# Altium PCB TE0888.PcbDoc (part 2 of 2)
Units mm, origin at the board's own origin, x right, y up, seen from the top; angles counter-clockwise.
Board outline 53.34 x 68.58 mm, 4 copper layers (L 01, L 02, L 03, L 04), stack 0.695 mm thick; 105 components, 121 nets, 546 pads, 178 vias.
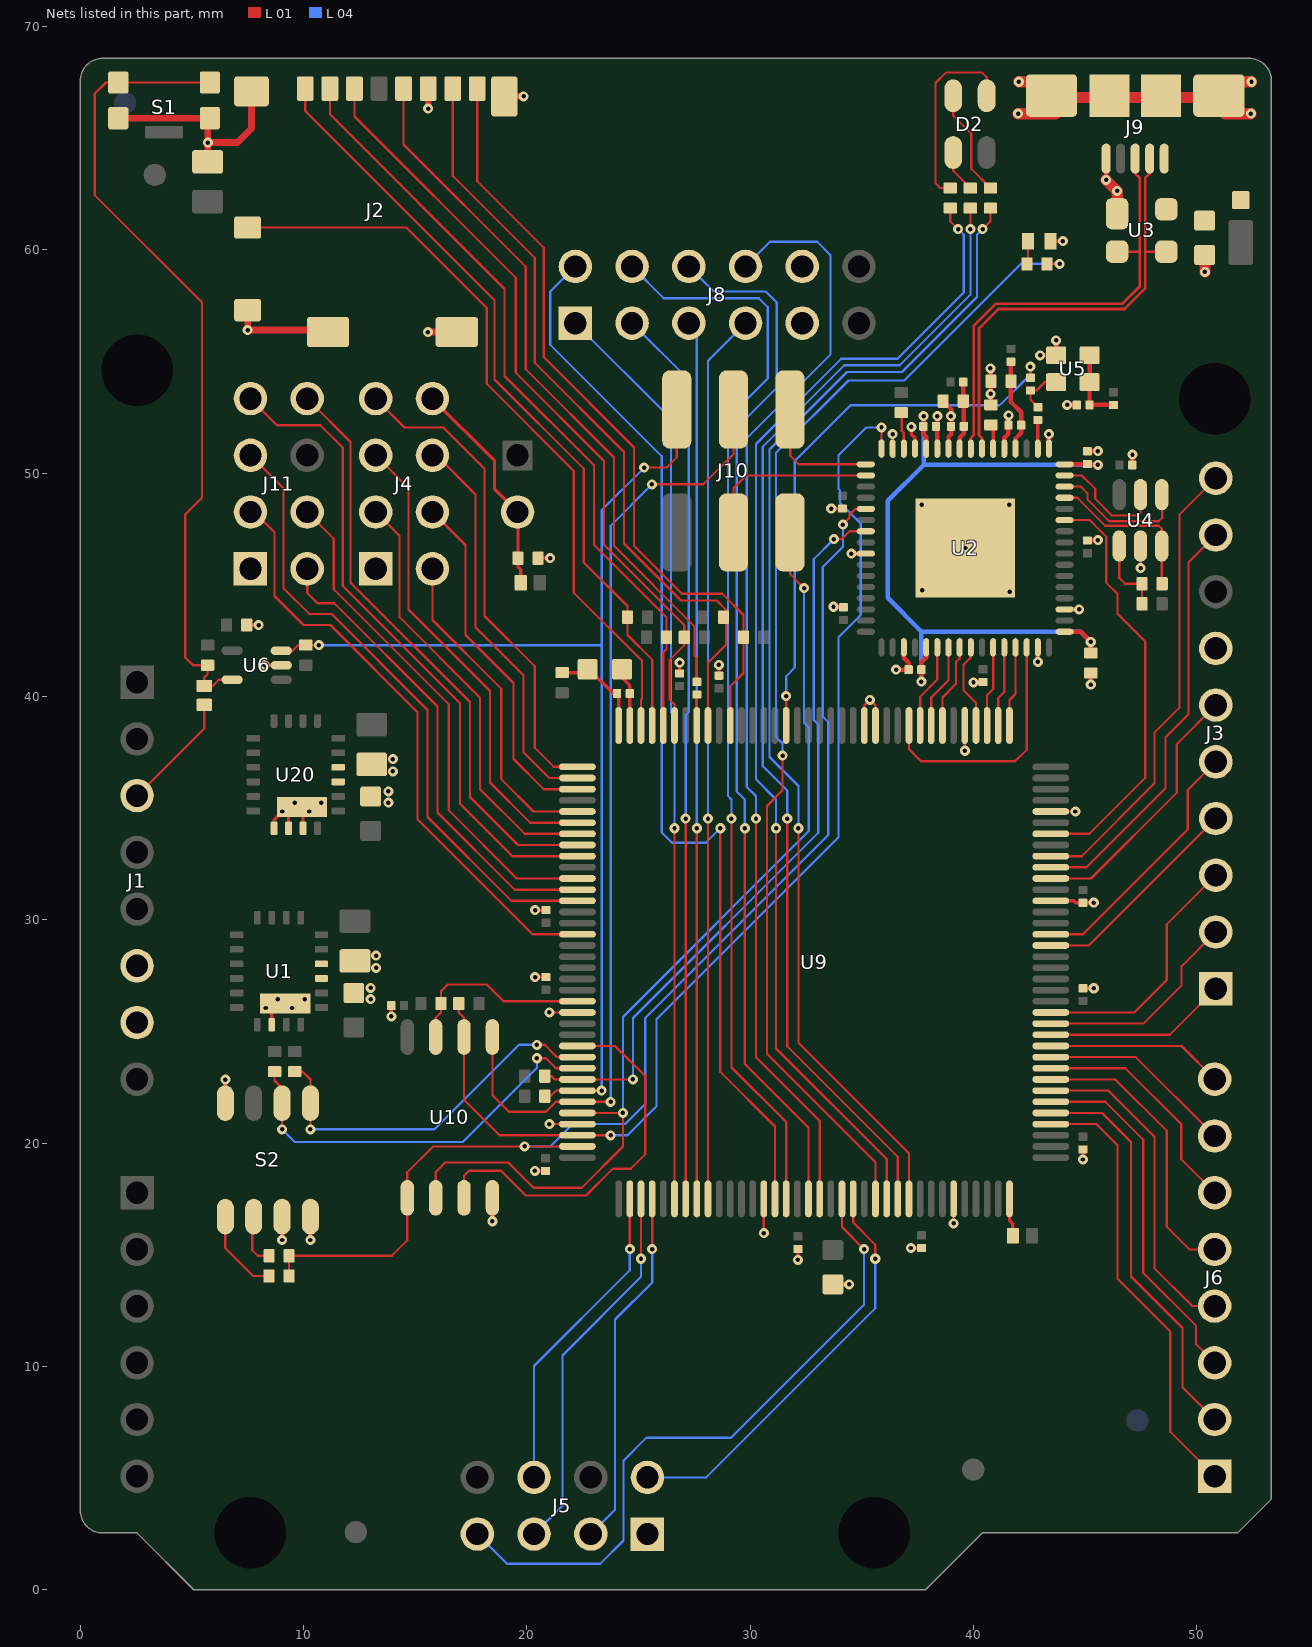
[diagram p4: the nets of this part, all layers, seen from the top]

## Via types
v1: diameter 0.45, hole 0.2, L 01 to L 04, 178 vias

## Nets (pads, with @x,y where several pads share a name; then routed paths per layer and width w, separated by ;. In a path a pad name is that pad's centre, name@x,y a point inside that pad or via, vN(x,y) a via of type N, cw(c..) or ccw(c..) an arc to the next point about the centre after c; other vN are vias at no path point) (continued)
BCBUS7: U2.59 U9.138 | length 19
  L 01 w0.1: U9.138@43.46,33.85 45.18,33.85 47.69,36.36 47.69,42.46 46.45,43.7 46.45,44.6 45.95,45.1 45.95,47.15 45.945,47.155 45.725,47.375 45.2,47.9 U2.59@44.08,47.9
BDBUS0: U2.38 U9.9 | length 3.8
  L 01 w0.1: U9.9@37.61,38.7 37.61,39.99 38.38,40.76 U2.38@38.38,42.2
BDBUS1: U2.39 U9.8 | length 3.8
  L 01 w0.1: U9.8@38.11,38.7 38.11,39.96 38.88,40.73 U2.39@38.88,42.2
BDBUS2: U2.40 U9.7 | length 3.8
  L 01 w0.1: U9.7@38.61,38.7 38.61,39.96 39.22,40.57 39.22,41.55 39.38,41.71 U2.40@39.38,42.2
BDBUS3: U2.41 U9.4 | length 3.9
  L 01 w0.1: U2.41@39.88,42.2 39.88,41.75 39.55,41.42 39.55,40.28 40.11,39.72 U9.4@40.11,38.7
BDBUS4: U2.43 U9.3 | length 3.6
  L 01 w0.1: U9.3@40.61,38.7 40.61,40.07 40.88,40.34 U2.43@40.88,42.2
BDBUS5: U2.44 U9.2 | length 3.6
  L 01 w0.1: U9.2@41.11,38.7 41.11,39.93 41.38,40.2 U2.44@41.38,42.2
BDBUS6: U2.45 U9.1 | length 3.6
  L 01 w0.1: U9.1@41.61,38.7 41.61,39.84 41.88,40.11 U2.45@41.88,42.2
BDBUS7: U2.46 U9.10 | length 11.3
  L 01 w0.1: U9.10@37.11,38.7 37.11,37.64 37.65,37.1 41.86,37.1 42.38,37.62 U2.46@42.38,42.2
CBSEL0: R7.1 S2.1 U9.63 | length 16.8
  L 01 w0.1: R7.1@9.6,23.2 9.95,23.2 10.305,22.845 S2.1@10.305,21.79 v1(10.305,20.615) ; v1(20.45,24.4) 20.8,24.4 21.35,23.85 U9.63@22.26,23.85
  L 04 w0.1: v1(10.305,20.615) 15.865,20.615 19.65,24.4 v1(20.45,24.4)
CBSEL1: R11.1 S2.2 U9.64 | length 18.2
  L 01 w0.1: R11.1@8.7,23.2 8.7,22.8 9.035,22.465 S2.2@9.035,21.79 v1(9.035,20.615) ; v1(20.45,23.8) 20.85,23.8 21.3,23.35 U9.64@22.26,23.35
  L 04 w0.1: v1(9.035,20.615) 9.6,20.05 17.13,20.05 20.45,23.37 v1(20.45,23.8)
CLK12M: R16.2 U9.21 | length 25
  L 01 w0.1: U9.21@31.61,38.7 v1(31.61,40.02) ; R16.2@42.55,54.275 v1(42.55,54.77)
  L 04 w0.1: v1(31.61,40.02) 31.61,40.91 32,41.3 32,50.55 34.49,53.04 41.17,53.04 42.55,54.42 v1(42.55,54.77)
D2: J6.3 U9.114 | length 16.2
  L 01 w0.1: U9.114@43.46,21.85 45.9,21.85 47.6,20.15 47.6,14.186 49.97,11.816 49.97,10.99 J6.3@50.8,10.16
D3: J6.4 U9.115 | length 14.8
  L 01 w0.1: U9.115@43.46,22.35 46.05,22.35 48.1,20.3 48.1,14.393 49.793,12.7 J6.4@50.8,12.7
D4: J6.5 U9.116 | length 13
  L 01 w0.1: U9.116@43.46,22.85 46.35,22.85 48.65,20.55 48.65,16.25 49.66,15.24 J6.5@50.8,15.24
D5: J6.6 U9.117 | length 10.6
  L 01 w0.1: U9.117@43.46,23.35 46.8,23.35 49.3,20.85 49.3,19.28 J6.6@50.8,17.78
D6: J6.7 U9.118 | length 8.8
  L 01 w0.1: U9.118@43.46,23.85 47.27,23.85 J6.7@50.8,20.32
D7: J6.8 U9.119 | length 8
  L 01 w0.1: U9.119@43.46,24.35 49.31,24.35 J6.8@50.8,22.86
D8: J3.1 U9.120 | length 8.2
  L 01 w0.1: U9.120@43.46,24.85 48.785,24.85 J3.1@50.85,26.915
D9: J3.2 U9.121 | length 9.6
  L 01 w0.1: U9.121@43.46,25.35 47.6,25.35 49.32,27.07 49.32,27.925 J3.2@50.85,29.455
D10: J3.3 U9.122 | length 11.4
  L 01 w0.1: U9.122@43.46,25.85 47.2,25.85 48.65,27.3 48.65,29.795 J3.3@50.85,31.995
D11: J3.4 U9.128 | length 9.7
  L 01 w0.1: U9.128@43.46,28.85 45.165,28.85 J3.4@50.85,34.535
D12: J3.5 U9.129 | length 11.6
  L 01 w0.1: U9.129@43.46,29.35 44.9,29.35 49.59,34.04 49.59,35.815 J3.5@50.85,37.075
D13: J3.6 U9.134 | length 11.9
  L 01 w0.1: U9.134@43.46,31.85 45.264,31.85 49.1,35.686 49.1,37.865 J3.6@50.85,39.615
D_N: J9.2 U2.7 U3.3 | length 20.5
  L 01 w0.12: U2.7@40.38,51.1 40.38,51.57 40.25,51.7 40.25,56.49 41.11,57.35 46.769,57.35 47.685,58.266 47.685,59.92 ; J9.2@47.89,64.155 J9.2@47.89,64.086 47.89,63.42 47.685,63.215 47.685,59.92 ; U3.3@48.635,59.92 47.685,59.92
D_P: J9.3 U2.8 U3.2 | length 20.6
  L 01 w0.12: U2.8@39.88,51.1 39.88,51.57 40.01,51.7 40.01,56.589 41.011,57.59 46.67,57.59 47.445,58.365 47.445,59.92 ; U3.2@46.435,59.92 47.445,59.92 ; J9.3@47.24,64.155 J9.3@47.24,64.086 47.24,63.42 47.445,63.215 47.445,59.92
EECLK: U2.62 U4.4 | length 6.5
  L 01 w0.1: U2.62@44.08,49.4 44.8,49.4 45.1,49.1 45.1,48.833 46.083,47.85 48.3,47.85 48.45,48 48.45,49.02 U4.4@48.43,49.04 ; U4.4@48.26,49.16 U4.4@48.43,49.33
EECS: U2.63 U4.5 | length 5.4
  L 01 w0.1: U2.63@44.08,49.9 44.85,49.9 45.45,49.3 45.45,48.85 46.2,48.1 47.35,48.1 47.48,48.23 U4.5@47.48,49.04 ; U4.5@47.36,49.39 U4.5@47.48,49.51
EEDATA: R15.1 U2.61 U4.3 | length 7.4
  L 01 w0.1: U2.61@44.08,48.9 44.65,48.9 45.9,47.65 48.3,47.65 48.43,47.52 U4.3@48.43,46.74 48.43,45.07 R15.1@48.45,45.05
ESP_GPIO0: J5.5 U9.75 | length 17
  L 01 w0.1: v1(25.11,14.82) U9.75@25.11,17.5
  L 04 w0.1: J5.5@20.32,2.49 21.59,3.76 21.59,10.49 25.11,14.01 v1(25.11,14.82)
ESP_GPIO2: J5.3 U9.76 | length 16.2
  L 01 w0.1: v1(25.61,15.25) U9.76@25.61,17.5
  L 04 w0.1: J5.3@22.86,2.49 23.95,3.58 23.95,12.1 25.61,13.76 v1(25.61,15.25) ; v1@25.565,15.295 v1@25.61,15.34
ESP_RXD: J5.7 U9.93 | length 29.9
  L 01 w0.1: U9.93@34.11,17.5 34.11,16.24 v1(35.1,15.25)
  L 04 w0.1: J5.7@17.78,2.49 19.11,1.16 23.29,1.16 24.33,2.2 24.33,5.78 25.35,6.8 29.137,6.8 35.1,12.763 v1(35.1,15.25)
ESP_TXD: J5.2 U9.94 | length 18.6
  L 01 w0.1: U9.94@34.61,17.5 34.61,16.44 35.6,15.45 v1(35.6,14.82)
  L 04 w0.1: J5.2@25.4,5.03 28.03,5.03 35.6,12.6 v1(35.6,14.82)
EXT_RST: D3.1 J1.3 | length 5.3
  L 01 w0.1: J1.3@2.54,35.56 5.55,38.57 D3.1@5.55,39.625
FPGA_LED: R22.2 U9.96 | length 52.6
  L 01 w0.1: v1(31.45,37.35) 31.45,35.8 30.75,35.1 30.75,24 35.61,19.14 U9.96@35.61,17.5 ; R22.2@43.293,59.367 v1@43.853,59.367
  L 04 w0.1: v1(31.45,37.35) 31.45,37.9 31.15,38.2 31.15,50.9 34.4,54.15 36.9,54.15 42.125,59.375 v1(43.86,59.375)
FTDI_MISO: J10.4 U2.18 | length 8.1
  L 01 w0.1: J10.4@29.25,47.35 29.25,49.33 29.82,49.9 U2.18@35.18,49.9
FTDI_MOSI: J10.1 U2.17 | length 5.6
  L 01 w0.1: J10.1@31.79,52.85 31.79,50.78 32.17,50.4 U2.17@35.18,50.4
GND: C1.2 C2.1 C3.2 C4.2 C5.2 C6.2 C7.2 C8.2 C9.2 C10.2 C11.2 C12.2 C13.2 C14.1 C15.1 C16.1 C17.2 C18.1 C21.1 C22.1 C23.2 C24.2 C25.1 C26.1 C27.1 C28.1 C29.1 C30.1 C31.2 C32.1 C33.1 C34.1 C35.2 C36.1 D6.K J1.6 J1.7 J2.6 J2.10 J2.G1 J2.G2 J2.G3 J2.G4 J3.7 J4.1 J5.1 J8.5 J8.11 J9.5 J9.S1 J9.S2 J9.S3 J9.S4 J11.1 R12.1 S1.2 S1.4 S2.4 S2.7 S2.8 U1.3 U1.4 U1.18 U1.21 U2.1 U2.5 U2.10 U2.11 U2.13 U2.15 U2.25 U2.35 U2.47 U2.51 U2.65 U3.1 U4.2 U5.2 U6.2 U9.5 U9.13 U9.14 U9.59 U9.69 U9.86 U9.103 U9.132 U9.140 U10.4 U20.3 U20.4 U20.17 U20.18 U20.19 U20.21 | length 80.9
  L 01 w0.1: v1@21,25.85 U9.59@22.26,25.85 ; v1(21.01,20.85) U9.69@22.26,20.85 ; v1(30.61,15.97) U9.86@30.61,17.5 ; U9.14@35.11,38.7 35.11,39.6 v1(35.36,39.85) 35.61,39.6 U9.13@35.61,38.7 ; U2.15@36.38,51.1 v1(36.38,51.75) ; U2.10@38.86,51.12 U2.10@38.88,51.1 ; v1(39.11,16.4) U9.103@39.11,17.5 ; v1(39.61,37.57) U9.5@39.61,38.7 ; U9.140@43.46,34.85 v1(44.56,34.85)
  L 01 w0.15: C36.1@7.45,43.2 v1(7.985,43.2) ; v1(8.25,41.4) U6.2@9,41.4 ; U1.18@8.575,25.3 U1.21@8.575,26 ; U20.17@8.675,34.1 8.675,34.475 v1(9.05,34.85) ; U20.18@9.325,34.1 U20.21@9.325,34.8 ; U20.21@9.925,35.05 9.975,35 U20.19@9.975,34.1 ; v1(13.928,25.678) C35.2@13.928,26.158 ; v1(20.352,18.752) C28.1@20.837,18.752 ; v1(20.365,27.435) C25.1@20.85,27.435 ; v1(20.365,30.435) C32.1@20.85,30.435 ; C21.1@20.5,46.2 v1(21.035,46.2) ; C12.2@26.84,41.035 v1(26.84,41.52) ; C33.1@28.6,40.935 v1(28.6,41.42) ; v1(32.137,14.767) C29.1@32.137,15.252 ; v1(33.63,48.415) C11.2@34.13,48.415 ; v1(37.192,15.302) C30.1@37.677,15.302 ; v1(37.22,52.07) 37.22,51.74 37.38,51.58 U2.13@37.38,51.1 ; D6.K@43.44,60.39 v1(44,60.39) ; U9.132@43.46,30.85 44.5,30.85 44.585,30.765 C26.1@44.9,30.765 v1(45.385,30.765) ; v1(44.9,19.265) C34.1@44.9,19.715 ; C27.1@44.9,26.935 v1(45.385,26.935) ; v1(47.48,45.75) U4.2@47.48,46.74
  L 01 w0.2: S2.4@6.495,21.79 v1(6.495,22.84) ; v1(9.035,15.66) S2.7@9.035,16.71 ; v1(10.305,15.66) S2.8@10.305,16.71 ; v1(18.455,16.5) U10.4@18.455,17.55 ; C31.2@33.68,13.675 v1(34.43,13.675) ; v1@33.72,44.02 v1(33.73,44.02) 34.145,44.02 C14.1@34.17,43.995 ; v1(34.53,46.4) U2.25@35.18,46.4 ; v1(36.53,41.2) C8.2@37.095,41.2 37.095,41.515 36.88,41.73 U2.35@36.88,42.2 ; U2.11@38.38,51.1 38.38,52.045 C7.2@38.325,52.1 C7.2@38.39,52.165 ; C7.2@38.38,52.165 v1(38.38,52.56) ; C5.2@38.64,53.23 38.995,52.875 v1@38.995,52.555 ; U2.10@38.88,51.1 38.88,51.63 38.995,51.745 C6.2@38.995,52.1 v1@38.995,52.555 ; v1(38.99,52.56) v1@38.995,52.555 ; v1@40.015,40.645 C13.2@40.43,40.645 ; v1(40.77,53.55) v1@40.77,54.72 ; R12.1@40.78,53.06 v1@40.78,53.59 ; U2.5@41.38,51.1 41.38,51.58 41.565,51.765 v1@41.565,52.59 ; v1(42.88,41.55) U2.47@42.88,42.2 ; v1@43.02,55.28 U5.2@43.7,55.28 v1(43.7,55.95) v1@43.7,55.98 ; U2.1@43.38,51.1 v1(43.38,51.75) ; U2.51@44.08,43.9 v1(44.73,43.9) ; v1(44.19,53.06) C18.1@44.625,53.06 ; C10.2@45.08,46.975 45.105,47 v1(45.57,47) ; C9.2@45.08,50.975 45.095,50.99 v1(45.57,50.99) ; v1(45.25,40.536) C15.1@45.25,41.051 ; v1(45.94,63.14) J9.5@45.94,64.155 ; C17.2@47.105,50.37 v1@47.105,50.855
  L 01 w0.3: S1.4@1.72,65.89 S1.2@5.82,65.89 ; C1.2@5.71,63.92 v1(5.71,64.808) ; S1.2@5.71,65.73 v1(5.71,64.808) ; J2.10@7.492,57.298 v1(7.492,56.41) 11.007,56.41 J2.G4@11.092,56.325 ; J2.G1@7.667,66.6 7.667,65.437 7.038,64.808 v1(5.71,64.808) ; J2.G4@11.092,55.825 J2.G4@11.092,56.325 ; J2.G4@11.092,56.628 J2.G4@11.092,56.325 ; v1(15.567,56.322) J2.G3@16.862,56.322 ; v1(15.577,66.327) J2.6@15.577,67.225 ; J2.G2@18.984,66.88 v1(19.852,66.88)
  L 01 w0.5: v1(42,66.1) J9.S4@43.67,66.1 ; v1(42.03,67.53) J9.S4@43.19,67.53 ; J9.S4@43.24,66.83 J9.S1@51.24,66.83 ; v1(45.94,63.14) v1(46.435,62.645) U3.1@46.435,61.62 U3.1@46.415,61.6 ; C16.1@50.35,59.77 50.36,59.76 v1(50.36,59.02) ; J9.S1@51.26,66.1 v1(52.42,66.1) ; J9.S1@51.29,67.53 v1(52.45,67.53)
  other v1: 21.01,25.85 8.3,26.05 9.5,26.05 8.85,26.45 10.05,26.45 13,26.45 13,26.95 13.25,27.85 13.25,28.4 10.25,34.85 9.6,35.25 10.8,35.25 13.8,35.25 13.8,35.75 14,36.65 14,37.2 40,40.63 41.613,44.69 37.715,44.765 39.63,46.65 37.687,48.58 41.595,48.58 47.12,50.83 41.57,52.59 40.76,54.69 42.98,55.28
ICE_CDONE: R25.2 U2.23 U9.65 | length 33.7
  L 01 w0.1: R25.2@20.8,23 21.1,23 21.25,22.85 U9.65@22.26,22.85 v1(24.75,22.85) ; v1(33.75,47.05) 34.1,47.05 34.45,47.4 U2.23@35.18,47.4
  L 04 w0.1: v1(24.75,22.85) 24.75,25.6 33.05,33.9 33.05,38.75 32.85,38.95 32.85,46.15 v1(33.75,47.05)
ICE_CRESET_B: J10.5 R23.2 R26.1 U6.3 U9.66 | length 49.6
  L 01 w0.1: U6.3@9,42.05 9.5,42.05 9.75,42.3 R26.1@10.1,42.3 v1(10.685,42.3) ; R23.2@20.8,22.1 21.05,22.1 21.3,22.35 U9.66@22.26,22.35 v1(23.35,22.35) ; v1(25.25,50.25) 26.25,50.25 26.71,50.71 J10.5@26.71,52.85 J10.5@26.75,52.89
  L 04 w0.1: v1(10.685,42.3) 23.35,42.3 ; v1(23.35,22.35) 23.35,42.3 ; v1(25.25,50.25) 23.35,48.35 23.35,42.3
ICE_MISO: J10.2 U9.68 U10.2 | length 44.3
  L 01 w0.1: U10.2@15.915,17.55 15.915,18.705 16.34,19.13 19.17,19.13 20.3,18 22.45,18 24.3,19.85 v1(24.3,21.35) U9.68@22.26,21.35 ; J10.2@31.79,47.35 31.79,45.47 v1(32.41,44.85)
  L 04 w0.1: v1(24.3,21.35) 24.3,25.65 32.625,33.975 32.625,38.625 32.41,38.84 v1(32.41,44.85)
ICE_MOSI: J10.3 U9.67 U10.5 | length 43
  L 01 w0.1: U10.5@18.455,24.75 18.455,22.145 19.2,21.4 20.85,21.4 21.3,21.85 U9.67@22.26,21.85 v1(23.75,21.85) ; U10.5@18.505,24.75 U10.5@18.505,24.76 ; v1(25.6,49.5) 27.9,49.5 29.25,50.85 J10.3@29.25,52.85
  L 04 w0.1: v1(23.75,21.85) 23.75,47.65 v1(25.6,49.5)
ICE_SCK: R24.2 U2.16 U9.70 U10.6 | length 51
  L 01 w0.1: R24.2@16.95,26.25 16.95,25.85 17.185,25.615 U10.6@17.185,24.75 17.185,21.935 18.77,20.35 U9.70@22.26,20.35 v1(23.75,20.35) ; U10.6@17.235,24.75 U10.6@17.235,24.76 ; U2.16@35.88,51.1 v1(35.88,52.05)
  L 04 w0.1: v1(23.75,20.35) 24.5,20.35 25.8,21.65 25.8,25.55 33.95,33.7 33.95,42.65 34.95,43.65 34.95,47.75 34.025,48.675 34.025,49.23 33.95,49.305 33.95,50.8 35.2,52.05 v1(35.88,52.05)
ICE_SS_B: R19.1 R21.1 U2.21 U9.71 U10.1 | length 55
  L 01 w0.1: R19.1@9.35,14.05 R21.1@9.35,14.95 13.95,14.95 14.645,15.645 U10.1@14.645,17.55 14.645,18.695 15.8,19.85 U9.71@22.26,19.85 ; v1(34.15,47.7) 34.45,48 34.45,48.15 34.7,48.4 U2.21@35.18,48.4
  L 04 w0.1: v1(19.9,19.85) 21.05,19.85 22.05,20.85 24.4,20.85 25.3,21.75 25.3,25.6 33.5,33.8 33.5,38.85 33.25,39.1 33.25,45.8 34.15,46.7 v1(34.15,47.7)
LED_B: R9.1 U9.98 | length 52.2
  L 01 w0.1: v1(31.66,34.53) 31.66,24.34 36.61,19.39 U9.98@36.61,17.5 ; v1(39.86,60.93) R9.1@39.86,61.87
  L 04 w0.1: v1(31.66,34.53) 31.66,35.79 30.56,36.89 30.56,51.184 34.206,54.83 36.7,54.83 39.86,57.99 v1(39.86,60.93)
LED_G: R8.1 U9.99 | length 52.5
  L 01 w0.1: v1(32.16,34.1) 32.16,24.49 37.11,19.54 U9.99@37.11,17.5 ; v1(40.41,60.93) 40.76,61.28 R8.1@40.76,61.87
  L 04 w0.1: v1(32.16,34.1) 32.16,35.99 30.86,37.29 30.86,51.06 34.33,54.53 36.8,54.53 40.16,57.89 40.16,60.68 v1(40.41,60.93)
LED_R: R10.1 U9.97 | length 52.4
  L 01 w0.1: v1(31.16,34.1) 31.16,24.24 36.11,19.29 U9.97@36.11,17.5 ; R10.1@38.96,61.87 38.96,61.28 v1(39.31,60.93)
  L 04 w0.1: v1(31.16,34.1) 31.16,35.39 30.26,36.29 30.26,51.309 34.081,55.13 36.6,55.13 39.56,58.09 39.56,60.68 v1(39.31,60.93)
MOD_RST: J5.6 U9.74 | length 14.2
  L 01 w0.1: v1(24.61,15.25) U9.74@24.61,17.5
  L 04 w0.1: J5.6@20.32,5.03 20.32,10.02 24.61,14.31 v1(24.61,15.25)
NetC3_1: C3.1 C4.1 L1.1 U2.4 | length 4.2
  L 01 w0.2: L1.1@41.675,55.02 41.675,53.185 42.135,52.725 42.135,52.1 42.135,51.805 41.88,51.55 U2.4@41.88,51.1
NetC5_1: C5.1 C6.1 L2.1 U2.9 | length 3.1
  L 01 w0.2: U2.9@39.38,51.1 39.38,51.59 39.565,51.775 C6.1@39.565,52.1 39.565,53.205 C5.1@39.54,53.23 L2.1@39.54,54.08
NetC18_2: C18.2 L3.1 U5.1 U5.4 | length 3.3
  L 01 w0.2: U5.1@45.2,55.28 U5.4@45.2,54.08 45.195,54.075 C18.2@45.195,53.06 L3.1@46.265,53.06
NetC19_1: C19.1 C20.2 R20.2 U9.36 | length 4.2
  L 01 w0.15: R20.2@21.58,41.07 22.57,41.07 C19.1@22.72,41.22 22.78,41.22 23.86,40.14 C20.2@24.035,40.14 ; U9.36@24.11,38.7 C20.2@24.11,39.94
NetC19_2: C19.2 C20.1 U9.35 | length 2.7
  L 01 w0.1: U9.35@24.605,38.705 U9.35@24.61,38.7
  L 01 w0.15: C19.2@24.26,41.22 24.26,40.84 24.605,40.495 C20.1@24.605,40.14 U9.35@24.605,38.705
NetC21_2: C21.2 D4.1 J4.8 J12.2 | length 9.9
  L 01 w0.15: J4.8@15.77,53.34 18.55,50.56 18.55,49.29 J12.2@19.58,48.26 19.6,48.24 C21.2@19.6,46.2 19.6,45.8 19.725,45.675 D4.1@19.725,45.1
NetD2_2: D2.2 R9.2 | length 1.9
  L 01 w0.1: D2.2@39.09,64.36 39.09,63.54 R9.2@39.86,62.77
NetD2_3: D2.3 R10.2 | length 8.6
  L 01 w0.1: R10.2@38.96,62.77 38.51,62.77 38.3,62.98 38.3,67.47 38.78,67.95 40.37,67.95 40.59,67.73 D2.3@40.59,66.9
NetD2_4: D2.4 R8.2 | length 4.8
  L 01 w0.1: D2.4@39.09,66.9 39.09,66.01 39.9,65.2 39.9,63.63 R8.2@40.76,62.77
NetD5_1: D5.1 U9.108 | length 1.7
  L 01 w0.15: U9.108@41.61,17.5 41.61,16.54 41.765,16.385 D5.1@41.765,15.85
NetD6_A: D6.A R22.1 | length 1
  L 01 w0.1: R22.1@42.393,59.367 42.44,59.415 D6.A@42.44,60.39
NetJ2_5: J2.5 R4.2 | length 31.4
  L 01 w0.1: J2.5@14.477,66.725 14.477,64.723 19.95,59.25 19.95,54.65 23.9,50.7 23.9,46.75 27.5,43.15 27.5,41.84 27.61,41.73 R4.2@27.61,40.755
NetR12_2: R12.2 U2.6 | length 1.1
  L 01 w0.15: R12.2@40.78,52.16 40.88,52.06 U2.6@40.88,51.1
NetR13_2: R13.2 U2.14 | length 1.8
  L 01 w0.1: U2.14@36.88,51.1 36.88,51.81 36.79,51.9 36.79,52.75 R13.2@36.88,52.84
NetR14_1: R14.1 R15.2 U4.1 | length 3.5
  L 01 w0.1: U4.1@46.53,46.74 46.53,45.31 46.79,45.05 R15.2@47.55,45.05 R14.1@47.55,44.15 ; R14.1@47.6,44.06 R14.1@47.6,44.15
NetR16_1: R16.1 R17.1 U5.3 | length 2.2
  L 01 w0.1: R17.1@42.88,52.955 42.55,53.285 R16.1@42.55,53.705 42.825,53.705 43.2,54.08 U5.3@43.7,54.08
NetR19_2: R19.2 S2.5 | length 3.9
  L 01 w0.1: S2.5@6.495,16.71 6.495,15.305 7.75,14.05 R19.2@8.45,14.05
NetR21_2: R21.2 S2.6 | length 2.4
  L 01 w0.1: S2.6@7.765,16.71 7.7,16.645 7.7,15.2 7.95,14.95 R21.2@8.45,14.95
OSCI: R17.2 U2.2 | length 1.3
  L 01 w0.15: U2.2@42.88,51.1 R17.2@42.88,52.385
PIO1_02: J8.1 U9.78 | length 41.1
  L 01 w0.1: U9.78@26.61,17.5 v1(26.61,34.1)
  L 04 w0.1: J8.1@22.17,56.72 26.45,52.44 26.45,39.3 26.61,39.14 v1(26.61,34.1)
PIO1_03: J8.2 U9.79 | length 40.3
  L 01 w0.1: U9.79@27.11,17.5 v1(27.11,34.53)
  L 04 w0.1: J8.2@24.71,56.72 27.25,54.18 27.25,39.3 27.11,39.16 v1(27.11,34.53)
PIO1_04: J8.3 U9.80 | length 39.4
  L 01 w0.1: U9.80@27.61,17.5 v1(27.61,34.1)
  L 04 w0.1: J8.3@27.25,56.72 27.61,56.36 v1(27.61,34.1)
PIO1_05: J8.4 U9.81 | length 39.9
  L 01 w0.1: U9.81@28.11,17.5 v1(28.11,34.53)
  L 04 w0.1: v1(28.11,34.53) 28.11,55.04 J8.4@29.79,56.72
PIO1_06: J8.7 U9.87 | length 48.6
  L 01 w0.1: v1(28.66,34.1) 28.66,23.19 31.11,20.74 U9.87@31.11,17.5
  L 04 w0.1: J8.7@22.17,59.26 21.05,58.14 21.05,55.75 26.04,50.76 26.04,33.91 26.5,33.45 28.01,33.45 v1(28.66,34.1)
PIO1_07: J8.8 U9.88 | length 48.6
  L 01 w0.1: v1(29.16,34.53) 29.16,23.39 31.61,20.94 U9.88@31.61,17.5
  L 04 w0.1: J8.8@24.71,59.26 26.13,57.84 30.38,57.84 30.79,57.43 30.79,54.24 29,52.45 29,35.55 29.16,35.39 v1(29.16,34.53)
PIO1_08: J8.9 U9.90 | length 46.8
  L 01 w0.1: v1(29.76,34.1) 29.76,23.54 32.61,20.69 U9.90@32.61,17.5
  L 04 w0.1: J8.9@27.25,59.26 28.37,58.14 30.69,58.14 31.19,57.64 31.19,53.83 29.4,52.04 29.4,35.75 29.76,35.39 v1(29.76,34.1)
PIO1_09: J8.10 U9.91 | length 49.7
  L 01 w0.1: v1(30.26,34.53) 30.26,23.84 33.11,20.99 U9.91@33.11,17.5
  L 04 w0.1: J8.10@29.79,59.26 30.89,60.36 33,60.36 33.59,59.77 33.59,55.31 29.85,51.57 29.85,35.95 30.26,35.54 v1@30.26,34.49
RST: D3.2 R27.1 S1.1 S1.5 U6.5 | length 36.4
  L 01 w0.1: S1.1@5.8,67.5 S1.5@1.7,67.5 1.15,67.5 0.65,67 0.65,62.45 5.45,57.65 5.45,48.9 4.7,48.15 4.7,41.75 5.05,41.4 R27.1@5.7,41.4 5.7,41 5.55,40.85 D3.2@5.55,40.475 5.925,40.475 6.2,40.75 U6.5@6.8,40.75
RXD: J6.1 U9.112 | length 20
  L 01 w0.1: U9.112@43.46,20.85 45.5,20.85 46.45,19.9 46.45,13.922 48.81,11.562 48.81,7.07 J6.1@50.8,5.08
SCL: J3.10 U9.136 | length 20.8
  L 01 w0.1: U9.136@43.46,32.85 44.85,32.85 48.1,36.1 48.1,38.377 49.22,39.497 49.22,48.145 J3.10@50.85,49.775
SD_CD: J2.9 U9.34 | length 33.8
  L 01 w0.1: J2.9@7.492,61 14.6,61 18.2,57.4 18.2,54 22.1,50.1 22.1,44.65 25.15,41.6 25.15,39.9 25.11,39.86 U9.34@25.11,38.7
SD_CLK: R4.1 U9.29 | length 1.5
  L 01 w0.1: U9.29@27.61,38.7 R4.1@27.61,40.185
SD_CMD: J2.3 R3.2 U9.31 | length 34.5
  L 01 w0.1: J2.3@12.277,66.725 12.277,65.973 19.5,58.75 19.5,54.5 23.45,50.55 23.45,46.8 27.05,43.2 R3.2@27.05,42.65 27.05,42.3 26.4,41.65 26.4,39.85 26.61,39.64 U9.31@26.61,38.7
SD_D0: J2.7 R5.2 U9.28 | length 34.4
  L 01 w0.1: J2.7@16.677,66.725 16.677,63.323 20.35,59.65 20.35,54.95 24.35,50.95 24.35,46.85 26.9,44.3 28.5,44.3 28.91,43.89 28.91,42.31 28.11,41.51 U9.28@28.11,38.7
SD_D1: J2.8 R6.2 U9.26 | length 34.3
  L 01 w0.1: J2.8@17.777,66.725 17.777,63.073 20.75,60.1 20.75,55.2 24.8,51.15 24.8,46.75 26.95,44.6 28.75,44.6 29.7,43.65 R6.2@29.7,42.65 29.7,41.05 29.11,40.46 U9.26@29.11,38.7
SD_D2: J2.1 R1.2 U9.33 | length 34.5
  L 01 w0.1: J2.1@10.077,66.725 10.077,66.223 18.55,57.75 18.55,54.2 22.55,50.2 22.55,46 24.5,44.05 R1.2@24.5,43.55 24.5,42.75 25.61,41.64 U9.33@25.61,38.7
SD_D3: J2.2 R2.2 U9.32 | length 34.3
  L 01 w0.1: J2.2@11.177,66.725 11.177,66.073 19,58.25 19,54.35 23,50.35 23,46.8 26.25,43.55 R2.2@26.25,42.65 26.25,42.11 26.11,41.97 U9.32@26.11,38.7
SDA: J3.9 U9.135 | length 18.9
  L 01 w0.1: U9.135@43.46,32.35 45.057,32.35 48.6,35.893 48.6,38.17 49.63,39.2 49.63,46.015 J3.9@50.85,47.235
SPI_DQ2: U9.62 U10.3 | length 17.5
  L 01 w0.1: U10.3@17.185,17.55 17.185,18.535 17.41,18.76 18.84,18.76 19.95,17.65 22.65,17.65 23.85,18.85 24.65,18.85 25.3,19.5 25.3,23 23.95,24.35 U9.62@22.26,24.35
SPI_DQ3: R18.2 U9.58 U10.7 | length 8.7
  L 01 w0.1: U10.7@15.915,24.75 15.915,25.615 16.15,25.85 R18.2@16.15,26.25 16.15,26.8 16.45,27.1 18.2,27.1 18.95,26.35 U9.58@22.26,26.35
TXD: J6.2 U9.113 | length 18.1
  L 01 w0.1: U9.113@43.46,21.35 45.75,21.35 47.05,20.05 47.05,14.029 49.36,11.719 49.36,9.06 J6.2@50.8,7.62
USB_B_VBUS: C16.2 D1.2 J9.1 U3.4
VCORE: C7.1 C8.1 C9.1 C15.2 U2.12 U2.37 U2.49 U2.64 | length 35.2
  L 01 w0.2: v1(37.665,40.665) C8.1@37.665,41.2 37.665,41.535 37.88,41.75 U2.37@37.88,42.2 ; v1(37.77,52.56) 37.755,52.545 C7.1@37.755,52.1 37.755,51.765 37.88,51.64 U2.12@37.88,51.1 ; U2.49@44.08,42.9 44.8,42.9 v1(45.25,42.45) C15.2@45.25,41.951 ; U2.64@44.08,50.4 C9.1@45.08,50.4 ; C9.1@45.08,50.405 45.115,50.37 v1(45.57,50.37)
  L 04 w0.2: v1(37.665,40.665) 37.665,42.915 36.16,44.42 36.16,48.76 37.77,50.37 ; 37.665,42.9 44.8,42.9 v1(45.25,42.45) ; v1(37.77,52.56) 37.77,50.37 ; v1@45.52,50.37 37.77,50.37
X0: J11.7 U9.45 | length 29.4
  L 01 w0.1: J11.7@7.62,53.34 8.81,52.15 10.75,52.15 11.75,51.15 11.75,44.95 17,39.7 17,35.2 19.35,32.85 U9.45@22.26,32.85
X1: J11.5 U9.49 | length 28.3
  L 01 w0.1: J11.5@7.62,50.8 9.1,49.32 9.1,44.85 10.25,43.7 11.25,43.7 15.55,39.4 15.55,34.6 19.3,30.85 U9.49@22.26,30.85
X2: J11.3 U9.52 | length 27
  L 01 w0.1: J11.3@7.62,48.26 7.79,48.26 8.7,47.35 8.7,44.5 10,43.2 11.2,43.2 15.1,39.3 15.1,34.5 15.725,33.875 20.25,29.35 U9.52@22.26,29.35
X3: J4.6 U9.38 | length 18
  L 01 w0.1: J4.6@15.77,50.8 15.95,50.8 17.7,49.05 17.7,43.1 19.85,40.95 19.85,37.5 21,36.35 U9.38@22.26,36.35
X4: J4.4 U9.39 | length 16
  L 01 w0.1: J4.4@15.77,48.26 17.25,46.78 17.25,42.75 19.4,40.6 19.4,37.2 20.75,35.85 U9.39@22.26,35.85
X5: J4.2 U9.41 | length 14.7
  L 01 w0.1: J4.2@15.77,45.72 15.77,43.43 18.85,40.35 18.85,36.3 20.3,34.85 U9.41@22.26,34.85
X6: J11.8 U9.44 | length 26.6
  L 01 w0.1: J11.8@10.16,53.34 12.1,51.4 12.1,45.1 17.45,39.75 17.45,35.5 19.6,33.35 U9.44@22.26,33.35
X7: J11.4 U9.47 | length 23
  L 01 w0.1: J11.4@10.16,48.26 11.35,47.07 11.35,44.8 16.5,39.65 16.5,34.9 19.55,31.85 U9.47@22.26,31.85
X8: J11.2 U9.48 | length 21.5
  L 01 w0.1: J11.2@10.16,45.72 10.16,44.64 10.62,44.18 11.37,44.18 16,39.55 16,34.8 19.45,31.35 U9.48@22.26,31.35
X9: J4.7 U9.37 | length 21.9
  L 01 w0.1: J4.7@13.23,53.34 14.52,52.05 16.25,52.05 18.1,50.2 18.1,43.6 20.35,41.35 20.35,37.7 21.2,36.85 U9.37@22.26,36.85
X10: J4.5 U9.42 | length 21.4
  L 01 w0.1: J4.5@13.23,50.8 14.7,49.33 14.7,43.9 18.35,40.25 18.35,36.15 20.15,34.35 U9.42@22.26,34.35
X11: J4.3 U9.43 | length 19.5
  L 01 w0.1: J4.3@13.23,48.26 14.3,47.19 14.3,43.55 17.9,39.95 17.9,35.85 19.9,33.85 U9.43@22.26,33.85
pads on no net: H1.1 H2.1 H3.1 H4.1 J1.1 J1.8 J9.4 PM1.0 PM2.0 PM3.0 PM4.0 PM5.0 PM6.0 S1.3 U1.8 U1.9 U1.10 U1.11 U1.12 U1.13 U1.14 U1.16 U2.3 U2.26 U2.27 U2.28 U2.29 U2.30 U2.32 U2.33 U2.34 U2.36 U2.57 U2.58 U2.60 U6.1 U9.11 U9.15 U9.16 U9.17 U9.18 U9.19 U9.20 U9.22 U9.23 U9.24 U9.25 U9.40 U9.50 U9.53 U9.54 U9.55 U9.56 U9.60 U9.61 U9.73 U9.77 U9.82 U9.83 U9.84 U9.85 U9.95 U9.109 U9.110 U9.124 U9.125 U9.126 U9.127 U9.130 U9.131 U9.137 U20.8 U20.9 U20.10 U20.11 U20.12 U20.13 U20.14 U20.16

## Polygon pours and split planes (outlines as drawn)
GND on L 02 "L02_GND" (solid, remove dead copper, pour order 21): -0.71,68.58 -0.71,-0.15 39.388,-0.15 53.333,-0.15 53.34,68.58
3.3V on L 03 "L03_3.3V" (solid, remove dead copper, pour order 17): 5.15,0 5.08,0 2.54,2.54 0.934,2.54 0.41,2.54 -0.1,3.05 -0.05,3.1 -0.05,7.25 -0.05,67.95 0.55,68.55 0.6,68.6 2.85,68.6 52.65,68.6 53.25,68 53.35,67.9 53.35,66.75 53.35,4.07 51.82,2.54 40.39,2.54 37.85,0
GND on L 01 "L01_GND" (solid, remove dead copper, pour order 19): 5,0 2.54,2.46 2.54,2.54 0.934,2.54 0.922,2.553 0.837,2.553 0.647,2.553 0,3.2 0,5.05 0,67.958 0.496,68.453 0.622,68.58 2.75,68.58 52.647,68.58 53.264,67.963 53.34,67.887 53.34,66 53.34,4.06 51.82,2.54 51.81,2.55 40.55,2.55 40.35,2.55 37.8,0
GND on L 04 "L04_GND" (solid, remove dead copper, pour order 20): 5,0 2.54,2.46 2.54,2.54 0.934,2.54 0.922,2.553 0.837,2.553 0.647,2.553 0,3.2 0,5.05 0,67.958 0.496,68.453 0.622,68.58 2.75,68.58 52.647,68.58 53.264,67.963 53.34,67.887 53.34,66 53.34,4.06 51.82,2.54 51.81,2.55 40.55,2.55 40.35,2.55 37.8,0

## Keep-outs
Keep-Out Layer:
  the board outline again, w0.3

## Other copper
L 01:
  region net USB_B_VBUS: 48.34,63.91 48.34,61.33 49.11,61.33 49.72,60.72 50.66,60.72 50.9,60.96 50.9,62.83 50.63,63.1 49.33,63.1 48.59,63.84 48.59,63.95 48.38,63.95
  pour cut-out: 44.08,43.4 44.08,42.9 43.38,42.2 35.88,42.2 35.18,42.9 35.18,50.4 35.88,51.1 43.01,51.1 44.081,50.029 44.081,49.389
  region net GND: 10.5,28.16 10.52,28.18 11.42,28.18 11.55,28.31 11.55,28.61 11.64,28.7 13.45,28.7 13.55,28.6 13.55,27.66 13.5,27.61 11.65,27.61 11.39,27.87 10.53,27.87 10.5,27.9
  region net GND: 10.49,27.5 10.52,27.53 11.23,27.53 11.55,27.21 13.38,27.21 13.48,27.11 13.48,26.28 13.39,26.19 11.74,26.19 11.61,26.32 11.61,26.76 11.15,27.22 10.51,27.22 10.49,27.24
  region net 5V: 10.49,26.84 10.53,26.88 11.15,26.88 11.26,26.77 11.26,25.97 11.52,25.71 13.2,25.71 13.3,25.61 13.3,24.7 13.21,24.61 11.47,24.61 11.09,24.99 11.09,25.53 10.77,25.85 10.54,25.85 10.49,25.9
  region net 1.2V: 9.72,30.38 9.87,30.53 13.37,30.53 13.54,30.36 13.54,29.52 13.38,29.36 11.57,29.36 11.17,28.96 11.17,28.59 11.1,28.52 10.51,28.52 10.46,28.57 10.46,29.54 10.23,29.77 9.75,29.77 9.72,29.8
  region net 3.3V: 10.47,39.18 10.62,39.33 14.12,39.33 14.29,39.16 14.29,38.32 14.13,38.16 12.32,38.16 11.92,37.76 11.92,37.39 11.85,37.32 11.26,37.32 11.21,37.37 11.21,38.34 10.98,38.57 10.5,38.57 10.47,38.6
  region net 5V: 11.24,35.64 11.28,35.68 11.9,35.68 12.01,35.57 12.01,34.77 12.27,34.51 13.95,34.51 14.05,34.41 14.05,33.5 13.96,33.41 12.22,33.41 11.84,33.79 11.84,34.33 11.52,34.65 11.29,34.65 11.24,34.7
  region net GND: 11.24,36.3 11.27,36.33 11.98,36.33 12.3,36.01 14.13,36.01 14.23,35.91 14.23,35.08 14.14,34.99 12.49,34.99 12.36,35.12 12.36,35.56 11.9,36.02 11.26,36.02 11.24,36.04
  region net GND: 11.25,36.96 11.27,36.98 12.17,36.98 12.3,37.11 12.3,37.41 12.39,37.5 14.2,37.5 14.3,37.4 14.3,36.46 14.25,36.41 12.4,36.41 12.14,36.67 11.28,36.67 11.25,36.7
  region net USB_B_VBUS: 50.9,62.83 52.27,62.83 52.45,62.65 52.45,61.9 52.35,61.8 50.75,61.8 50.65,61.7
  pour cut-out: 7.15,39.5 14.45,39.5 14.75,39.2 14.75,33.45 14.6,33.3 7.15,33.3
  pour cut-out: 6.4,31 6.5,31.1 13.7,31.1 13.9,30.9 13.9,24.75 13.55,24.4 6.4,24.4
  pour cut-out: 21.21,16.45 21.21,39.75 44.51,39.75 44.51,16.45
  pour cut-out: 32.641,42.9 32.691,42.95 34.78,42.95 36.934,40.796 36.934,39.799 30.561,39.799 30.56,39.8
  pour cut-out: 21.97,41.609 22,41.639 22,44.232 24.24,41.993
  pour cut-out: 14.033,18.05 14.033,24.4 16.65,24.4 18.65,22.4 18.65,19.9 18.55,19.9 17.41,18.76 17.5,18.67 17.5,16.558 17.442,16.5 17.392,16.55 14.45,16.55
  pour cut-out: 48.061,60.615 48.061,61.289 48.35,61 49.41,61 49.41,59.15 49.36,59.1 45.75,59.1 45.7,59.05 45.667,59.083 45.667,60.9 45.761,60.994 46.056,60.7 48.158,60.7 48.17,60.688
  pour cut-out: 50.65,60.2 50.689,60.239 51.112,60.239 51.112,60.762 50.6,60.25 50.45,60.25
  pour cut-out: 16.47,6.21 16.47,1.39 26.8,1.39 26.8,6.21
L 04:
  pour cut-out: 11.05,42.6 16.899,42.6 16.999,42.7 10.95,42.7

## Silkscreen, mask and mechanical layers (free items; w line width, h text height)
Top Overlay:
  circle w0.4: c7.49,14.29 r0.2
  lines w0.15: 4.31,7.28 4.31,6.48 4.89,6.48 ; 4.33,14.34 4.33,15.14 4.91,15.14 ; 6.13,6.48 6.71,6.48 6.71,7.28 ; 6.22,15.15 6.8,15.15 6.8,14.35
  text "GND" at 46.46,41.5 h1
  text "13" at 47.66,39.2 h1
  text "IOREF" at 4.04,37.73 h0.7
  text "12" at 47.66,36.56 h1
  text "RST" at 4.31,35.32 h0.7
  text "11" at 47.66,34.21 h1
  text "3.3V" at 4.24,32.77 h0.7
  text "10" at 47.66,31.64 h1
  text "5V" at 4.26,30 h1
  text "9" at 47.66,28.9 h1
  text "8" at 47.66,26.64 h1
  text "GND" at 5.34,25.68 h1 r90
  text "7" at 47.67,22.39 h1
  text "6" at 47.67,19.91 h1
  text "5" at 47.67,17.32 h1
  text "4" at 47.67,14.68 h1
  text "A0" at 4.72,13.92 h1
  text "A1" at 4.72,12.51 h1
  text "3" at 47.67,12.33 h1
  text "A2" at 4.72,11.04 h1
  text "2" at 47.67,9.76 h1
  text "A3" at 4.72,9.48 h1
  text "A4" at 4.72,8.01 h1
  text "TE0888-02" at 15.6,7.51 h1.5
  text "TX->" at 44.43,7.16 h0.7
  text "1" at 47.67,7.02 h1
  text "A5" at 4.72,6.68 h1
  text "RX<-" at 44.43,4.82 h0.7
  text "0" at 47.67,4.76 h1
Bottom Overlay:
  drawing of 28 lines, arcs and shapes, not listed
  text "W" at 10.69,16.93 h10
  text "Trenz Electronic GmbH" at 43.03,16.8 h2
  text "Holzweg 19A" at 43,14.8 h2
  text "C" at 17.45,14.69 h10 r180
  text "32257 Bünde" at 43,12.8 h2
  text "Germany" at 43,10.8 h2
PCB-Outline-GM6:
  the board outline again, w0.1

## Dimensions
5.08,0 to 1,68.58 on Dim-Top-GM1
2.54,22.86 to 1,68.58 on Dim-Top-GM1
2.54,5.08 to 1,68.58 on Dim-Top-GM1
7.62,2.54 to 1,68.58 on Dim-Top-GM1
0,3.54 to 2.54,2.54 on Dim-Top-GM1
0,3.54 to 5.08,0 on Dim-Top-GM1
0,3.54 to 7.62,2.54 on Dim-Top-GM1
0,3.54 to 35.56,2.54 on Dim-Top-GM1
0,3.54 to 37.85,0 on Dim-Top-GM1
0,3.54 to 40.39,2.54 on Dim-Top-GM1
0,3.54 to 53.34,4.06 on Dim-Top-GM1
0,67.58 to 50.8,53.34 on Dim-Top-GM1
52.34,68.58 to 50.8,53.34 on Dim-Top-GM1
52.34,68.58 to 50.85,26.915 on Dim-Top-GM1
52.34,68.58 to 50.8,5.08 on Dim-Top-GM1
2.54,40.64 to 0,67.58 on Dim-Top-GM1
0,3.54 to 51.82,2.54 on Dim-Top-GM1
1,68.58 to 2.54,54.61 on Dim-Top-GM1
1,68.58 to 2.54,54.61 on Dim-Bot-GM2
0,3.54 to 51.82,2.54 on Dim-Bot-GM2
2.54,40.64 to 0,67.58 on Dim-Bot-GM2
52.34,68.58 to 50.8,5.08 on Dim-Bot-GM2
52.34,68.58 to 50.85,26.915 on Dim-Bot-GM2
52.34,68.58 to 50.8,53.34 on Dim-Bot-GM2
0,67.58 to 50.8,53.34 on Dim-Bot-GM2
0,3.54 to 53.34,4.06 on Dim-Bot-GM2
0,3.54 to 40.39,2.54 on Dim-Bot-GM2
0,3.54 to 37.85,0 on Dim-Bot-GM2
0,3.54 to 35.56,2.54 on Dim-Bot-GM2
0,3.54 to 7.62,2.54 on Dim-Bot-GM2
0,3.54 to 5.08,0 on Dim-Bot-GM2
0,3.54 to 2.54,2.54 on Dim-Bot-GM2
7.62,2.54 to 1,68.58 on Dim-Bot-GM2
2.54,5.08 to 1,68.58 on Dim-Bot-GM2
2.54,22.86 to 1,68.58 on Dim-Bot-GM2
5.08,0 to 1,68.58 on Dim-Bot-GM2
2.54,40.64 to 7.62,45.72 on Dim-Top-GM1
2.54,40.64 to 7.62,53.34 on Dim-Top-GM1

## Text inside footprints (layer, text, board x,y; h text height)
D2: Assembly Top-GM13 "1" at 40.74,64.93 h0.7 r180; Top Overlay "1" at 41.54,64.73 h0.5 r180
D6: Assembly Top-GM13 "K" at 43.565,60.04 h0.7; Assembly Top-GM13 "A" at 41.84,60.04 h0.7
J1: Assembly Top-GM13 "1" at 2.04,41.25 h0.7 r270; Assembly Top-GM13 "8" at 2.04,22.75 h0.7 r270
J3: Assembly Top-GM13 "10" at 50.29,50.17 h0.7 r270; Assembly Top-GM13 "1" at 50.36,26.81 h0.7 r270
J4: Assembly Bot-GM14 "1" at 12.2,44.725 h1 r270; Assembly Bot-GM14 "7" at 12.1,53.805 h1 r270; Assembly Bot-GM14 "8" at 15.9,53.805 h1 r270; Assembly Bot-GM14 "2" at 15.9,44.58 h1 r270
J5: Assembly Bot-GM14 "2" at 26.54,5.16 h1; Assembly Bot-GM14 "8" at 17.315,5.16 h1; Assembly Bot-GM14 "7" at 17.315,1.36 h1; Assembly Bot-GM14 "1" at 26.395,1.46 h1
J6: Assembly Top-GM13 "1" at 50.43,5.03 h0.7 r270; Assembly Top-GM13 "8" at 51.3,22.97 h0.7 r90
J7: Assembly Top-GM13 "1" at 2.27,18.16 h0.7 r270; Assembly Top-GM13 "6" at 2.04,4.93 h0.7 r270
J8: Assembly Top-GM13 "1" at 20.52,56.19 h0.7; Assembly Top-GM13 "7" at 20.52,58.79 h0.7; Assembly Top-GM13 "12" at 35.82,58.79 h0.7; Assembly Top-GM13 "6" at 35.82,56.19 h0.7
J9: Fab-Notes-GM5 "PCB edge" at 41.24,68.361 h1 r180
J10: Assembly Top-GM13 "1" at 32,53.85 h0.7 r180; Assembly Top-GM13 "2" at 32.25,47.35 h0.7 r180; Assembly Top-GM13 "5" at 27,53.85 h0.7 r180; Assembly Top-GM13 "6" at 27,47.35 h0.7 r180
J11: Assembly Bot-GM14 "1" at 6.59,44.725 h1 r270; Assembly Bot-GM14 "7" at 6.49,53.805 h1 r270; Assembly Bot-GM14 "8" at 10.29,53.805 h1 r270; Assembly Bot-GM14 "2" at 10.29,44.58 h1 r270
J12: Assembly Top-GM13 "2" at 20.28,47.82 h0.7; Assembly Top-GM13 "1" at 20.33,50.57 h0.7
S2: Assembly Top-GM13 "4" at 6.178,21.472 h0.7 r270; Assembly Top-GM13 "3" at 7.448,21.472 h0.7 r270; Assembly Top-GM13 "1" at 9.968,21.472 h0.7 r270; Assembly Top-GM13 "2" at 8.698,21.472 h0.7 r270; Assembly Top-GM13 "O" at 9.968,17.662 h0.7 r270; Assembly Top-GM13 "N" at 8.698,17.662 h0.7 r270